# Altium PCB CC_V1.4.PcbDoc (part 7 of 8)
Units mm, origin at the board's own origin, x right, y up, seen from the top; angles counter-clockwise.
Board outline 145 x 123.85 mm, 4 copper layers (Top, GND, Power Plane, Bottom), stack 1.573 mm thick; 334 components, 307 nets, 1570 pads, 1725 vias.
Unrouted connection lines stored in the file: 33.
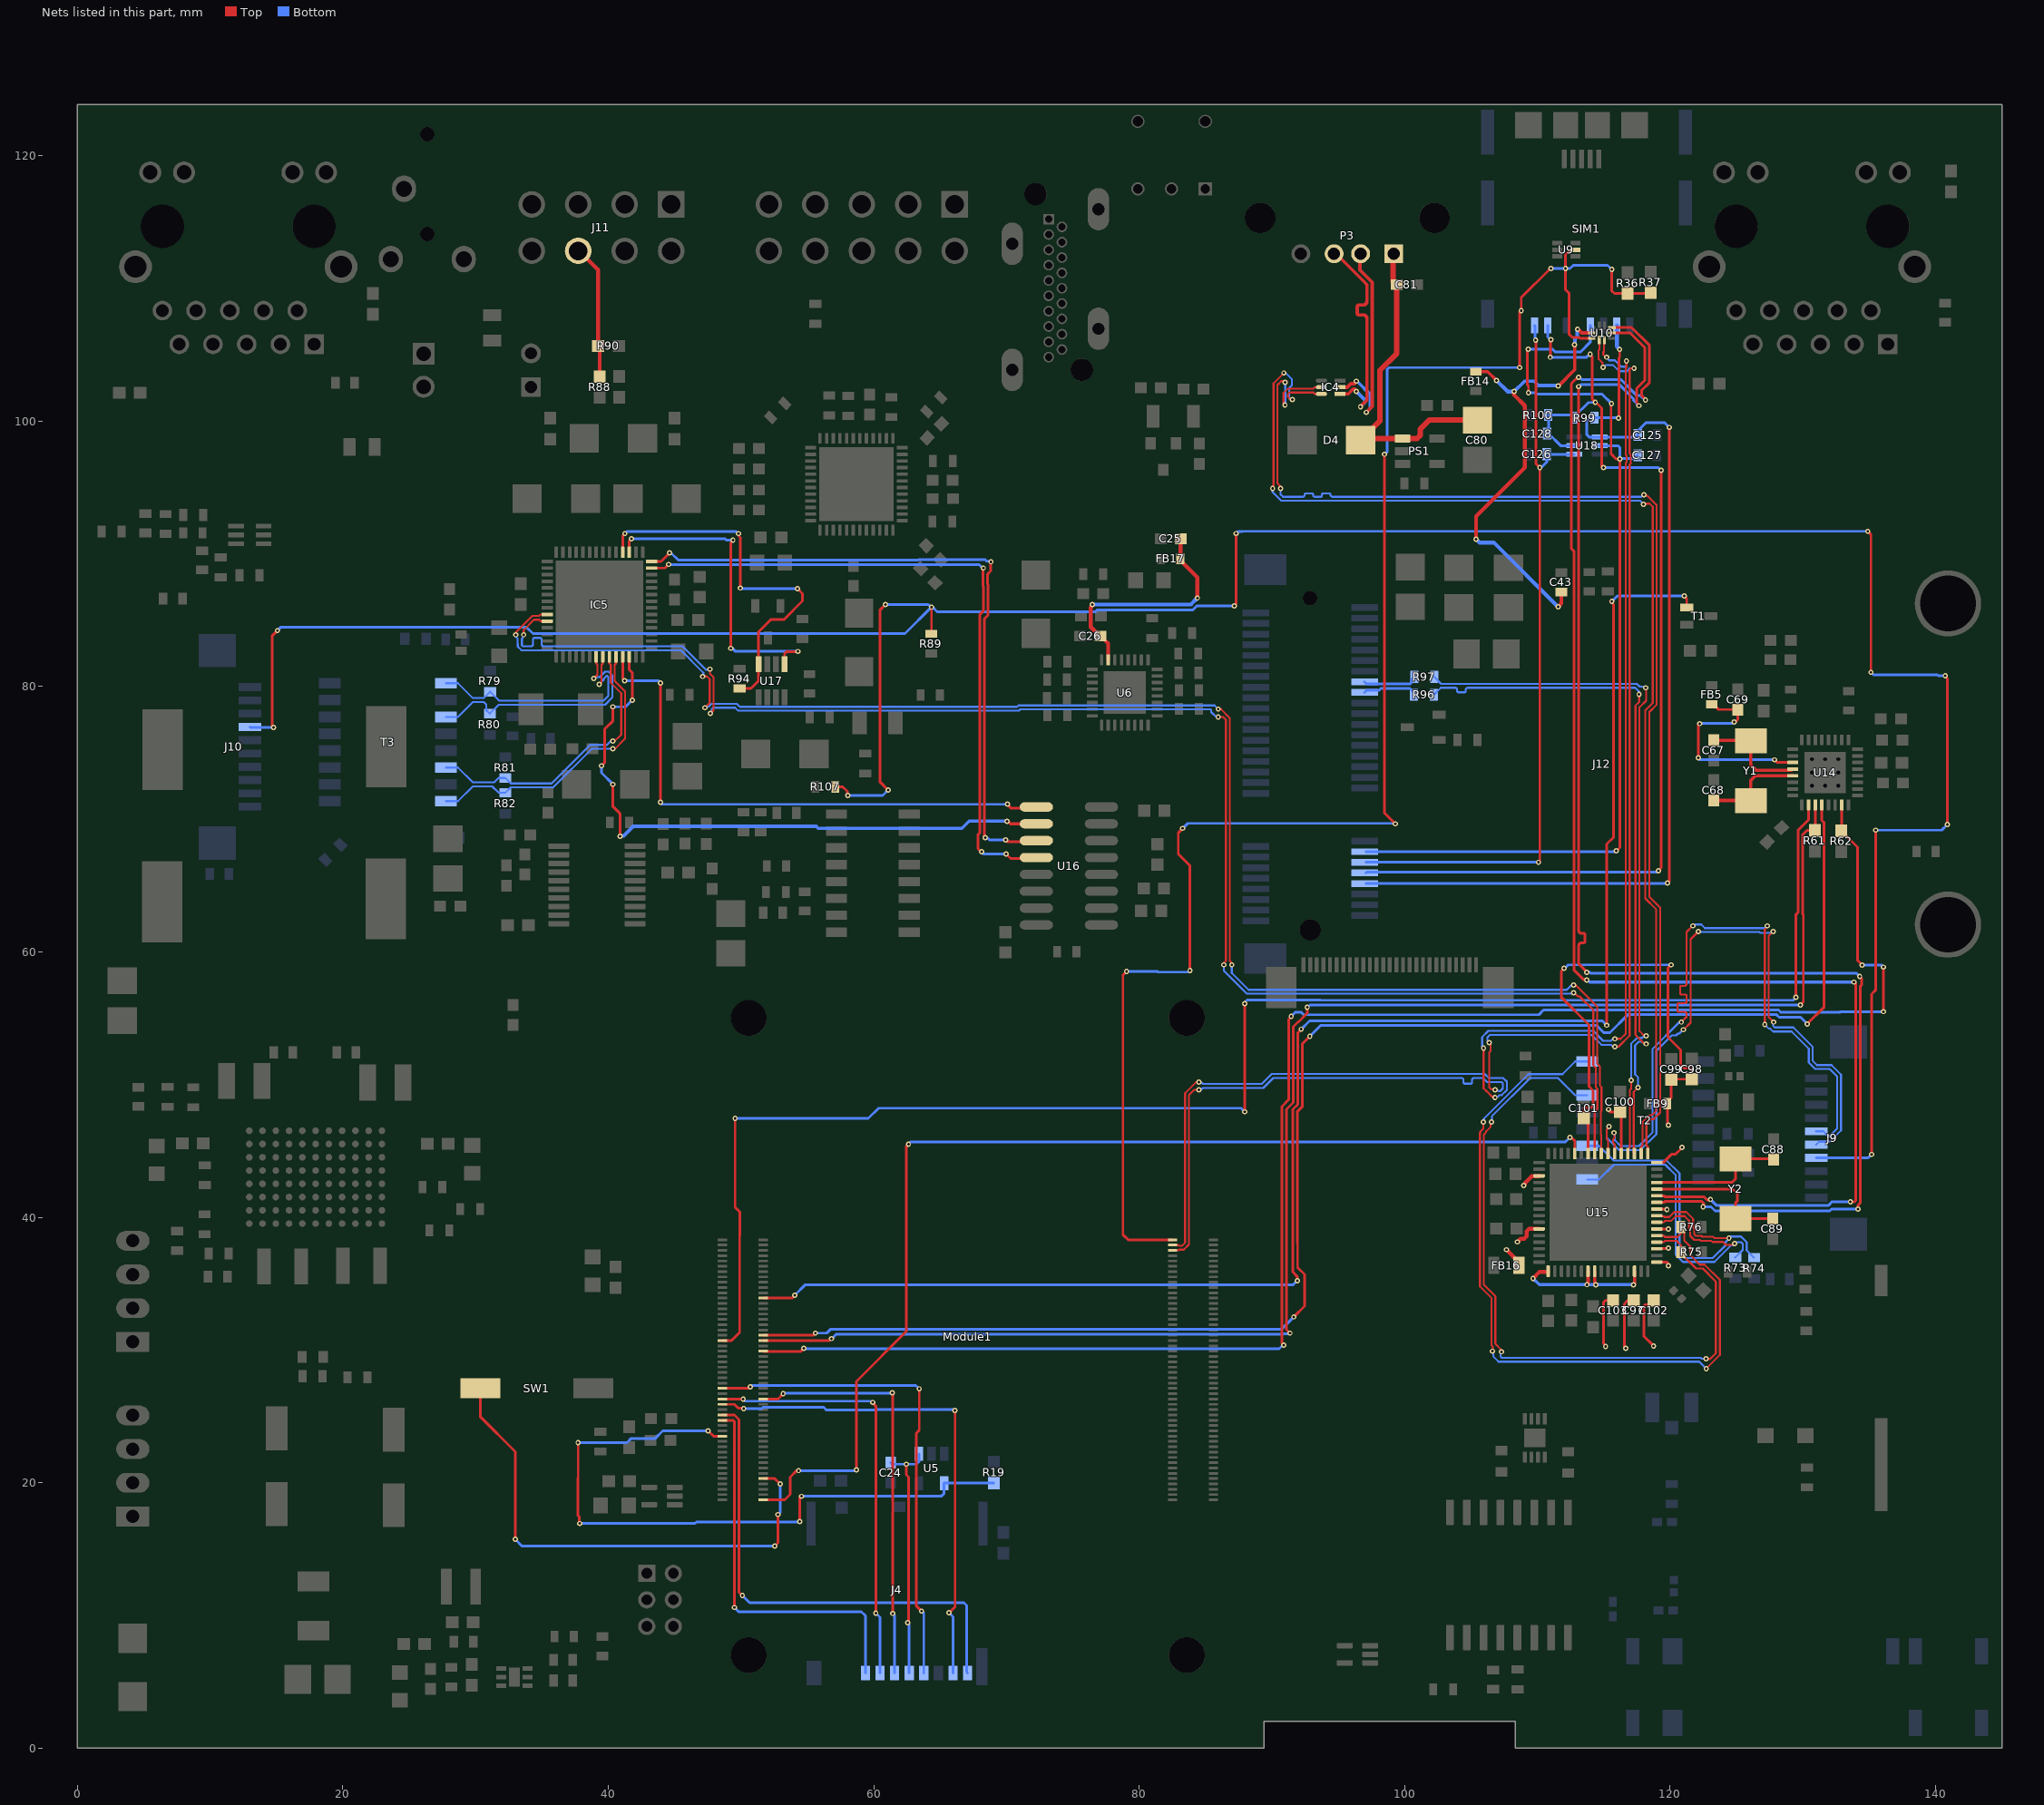
[diagram p9: the nets of this part, all layers, seen from the top]

## Via types
v1: diameter 0.4, hole 0.2, Top to Bottom, 1319 vias
v2: diameter 0.7, hole 0.4, Top to Bottom, 378 vias
v3: diameter 1.27, hole 0.711, Top to Bottom, 28 vias

## Nets (pads, with @x,y where several pads share a name; then routed paths per layer and width w, separated by ;. In a path a pad name is that pad's centre, name@x,y a point inside that pad or via, vN(x,y) a via of type N, cw(c..) or ccw(c..) an arc to the next point about the centre after c; other vN are vias at no path point) (continued)
RS485B_Bridge: J9.4 J10.4 R89.2 R107.2 | length 222.6
  Top w0.2: v1(14.783,76.925) 14.69,77.018 14.69,83.833 v1(15.07,84.213) ; R107.2@57.1,72.44 57.652,72.44 58.001,72.091 58.001,71.836 v1(58.039,71.798) ; v1(60.875,86.175) 60.483,85.783 60.483,72.792 v1(61.075,72.2) ; R89.2@64.325,83.975 64.35,84 v1(64.35,85.983) ; v1(87.173,86.082) 87.293,86.202 v1(87.293,91.528) ; v1(134.885,91.695) 135.125,91.455 v1(135.125,81.068) ; v1(135.18,44.74) 135.18,56.811 135.473,57.104 v1(135.473,69.175) ; v1(140.724,80.809) 140.724,80.755 140.88,80.599 v1(140.88,69.602)
  Bottom w0.2: J10.4@13.007,76.949 13.031,76.925 v1(14.783,76.925) ; v1(15.07,84.213) 15.311,84.454 33.854,84.454 34.322,83.986 62.354,83.986 v1(64.35,85.983) ; v1(58.039,71.798) 60.673,71.798 v1(61.075,72.2) ; v1(60.875,86.175) 64.103,86.175 64.296,85.983 v1(64.35,85.983) ; v1(87.173,86.082) 84.358,86.082 84.051,85.775 76.845,85.775 76.691,85.621 64.78,85.621 64.418,85.983 v1(64.35,85.983) ; v1(87.293,91.528) 87.455,91.69 87.772,91.69 87.778,91.695 v1(134.885,91.695) ; J9.4@130.994,44.476 134.916,44.476 v1(135.18,44.74) ; v1(135.125,81.068) 135.308,80.885 140.124,80.885 140.2,80.809 v1(140.724,80.809) ; v1(135.473,69.175) 140.453,69.175 v1(140.88,69.602)
RS485B_C: J11.6 R88.1 R90.2 | length 10.2
  Top w0.3: J11.6@37.75,112.882 39.23,111.402 R90.2@39.23,105.665 39.355,105.54 R88.1@39.355,103.349
RUN: Module1.92 SW1.2 | length 38.5
  Top w0.2: SW1.2@30.35,27.11 30.35,24.987 32.99,22.347 v1(32.99,15.735) ; Module1.92@51.671,20.31 52.542,20.31 52.946,19.906 v1(52.946,19.9) ; v1(52.546,15.235) 52.773,15.461 v1(52.773,17.602)
  Bottom w0.2: v1(32.99,15.735) 33.49,15.235 v1(52.546,15.235) ; v1(52.773,17.602) 52.946,17.776 v1(52.946,19.9)
RX_LAN1_N: R76.2 T2.8 U15.53 | length 59.5
  Top w0.15: v1(105.925,47.19) 105.925,46.695 105.696,46.466 105.696,46.391 105.66,46.355 105.66,34.799 106.529,33.931 106.529,30.347 106.64,30.235 106.64,29.934 v1(106.617,29.91) ; U15.53@118.995,38.625 119.5,38.625 119.6,38.525 120.56,38.525 120.785,38.75 R76.2@120.785,39.275 121.06,39 121.06,38.243 121.513,37.79 121.513,37.153 122.226,36.44 122.586,36.44 123.742,35.284 123.742,29.633 122.72,28.611 v1(122.72,28.59)
  Bottom w0.15: v1(105.925,47.19) 105.973,47.238 105.973,47.449 109.312,50.788 111.894,50.788 112.846,51.74 T2.8@113.744,51.74 ; v1(106.617,29.91) 106.665,29.863 106.665,29.528 107.073,29.12 122.19,29.12 v1(122.72,28.59)
RX_LAN1_P: R75.2 T2.6 U15.52 | length 55.9
  Top w0.15: v1(106.525,47.19) 106.478,47.142 106.478,46.822 106.136,46.481 106.136,46.407 105.96,46.23 105.96,34.923 106.829,34.055 106.829,30.471 107.246,30.054 107.246,29.917 v1(107.293,29.869) ; U15.52@118.995,38.125 119.5,38.125 119.6,38.225 120.485,38.225 120.81,37.9 R75.2@120.81,37.375 120.81,37.275 121.945,36.14 122.462,36.14 123.442,35.16 123.442,29.758 123.007,29.322 122.736,29.322 v1(122.71,29.349)
  Bottom w0.15: v1(106.525,47.19) 106.564,47.228 106.564,47.615 109.437,50.488 111.558,50.488 112.846,49.2 T2.6@113.744,49.2 ; v1(107.293,29.869) 107.293,29.801 107.217,29.725 107.217,29.508 107.305,29.42 122.314,29.42 122.397,29.337 122.698,29.337 v1(122.71,29.349)
RX_LAN2_N: IC5.24 R82.2 T3.8 | length 22.5
  Top w0.15: v1(40.352,75.3) 40.5,75.3 41.271,76.071 41.271,79.628 40.485,80.414 40.485,81.635 40.585,81.735 IC5.24@40.585,82.24
  Bottom w0.15: T3.8@27.778,71.355 28.676,71.355 29.796,72.475 31.25,72.475 31.725,72 R82.2@32.25,72 32.65,72.4 35.852,72.4 38.751,75.299 40.28,75.299 40.352,75.371 v1(40.352,75.3)
RX_LAN2_P: IC5.23 R81.2 T3.6 | length 21.7
  Top w0.15: IC5.23@40.085,82.24 40.085,81.735 40.185,81.635 40.185,80.29 40.971,79.504 40.971,76.371 40.5,75.9 v1(40.352,75.9)
  Bottom w0.15: T3.6@27.778,73.895 28.676,73.895 29.796,72.775 31.4,72.775 31.725,73.1 R81.2@32.25,73.1 32.65,72.7 35.728,72.7 38.627,75.599 39.903,75.599 40.204,75.9 v1(40.352,75.9)
SD_CLK: J4.5 Module1.57 | length 36.8
  Top w0.2: Module1.57@48.591,27.11 50.585,27.11 v1(50.7,27.225) ; v1(63.425,27.075) 63.425,23.958 63.216,23.749 63.216,10.709 v1(63.6,10.325)
  Bottom w0.2: v1(50.7,27.225) 50.804,27.329 63.171,27.329 v1(63.425,27.075) ; v1(63.6,10.325) 63.77,10.155 J4.5@63.77,5.65
SD_CMD: J4.3 Module1.62 | length 31.1
  Top w0.2: Module1.62@51.671,26.31 52.781,26.31 v1(53.175,26.704) ; v1(61.425,10.15) 61.429,10.154 61.429,26.721 v1@61.425,26.725
  Bottom w0.2: v1(53.175,26.704) 53.211,26.74 61.365,26.74 v1(61.4,26.775) ; v1(61.425,10.15) 61.57,10.005 J4.3@61.57,5.65
SD_DAT0: J4.7 Module1.63 | length 37.9
  Top w0.2: Module1.63@48.591,25.91 49.5,25.91 49.799,25.612 50.162,25.612 v1(50.2,25.574) ; v1(65.675,10.2) 66.125,10.65 v1@66.125,25.4
  Bottom w0.2: v1(50.2,25.574) 51.548,25.574 51.662,25.688 55.762,25.688 55.771,25.679 56.229,25.679 56.412,25.496 60.154,25.496 60.183,25.525 66.025,25.525 v1(66.1,25.45) ; v1(65.675,10.2) 65.97,9.905 J4.7@65.97,5.65
SD_DAT1: J4.8 Module1.67 | length 37.1
  Top w0.2: Module1.67@48.591,25.11 49.51,25.11 49.85,24.77 49.85,11.75 v1(50.1,11.5)
  Bottom w0.2: v1(50.1,11.5) 50.65,10.95 66.8,10.95 67,10.75 67,5.72 J4.8@67.07,5.65
SD_DAT2: J4.1 Module1.69 | length 29.4
  Top w0.2: Module1.69@48.591,24.71 48.602,24.7 49.425,24.7 49.5,24.625 v1(49.5,10.6)
  Bottom w0.2: v1(49.5,10.6) 49.825,10.275 59.075,10.275 59.37,9.98 J4.1@59.37,5.65
SD_DAT3: J4.2 Module1.61 | length 32.1
  Top w0.2: Module1.61@48.591,26.31 v1(50.165,26.31) ; v1(59.925,26.05) 59.9,26.025 60.15,25.775 v1(60.15,10.175)
  Bottom w0.2: v1(50.165,26.31) 50.325,26.15 59.925,26.15 v1(59.925,26.05) ; v1(60.15,10.175) 60.47,9.855 J4.2@60.47,5.65
SD_POWER: C24.1 J4.4 U5.1 | length 18.7
  Top w0.2: v1(62.45,21.4) 62.45,20.599 62.632,20.417 62.632,9.586 62.55,9.504 v1(62.55,9.45)
  Bottom w0.2: C24.1@61.275,21.524 61.399,21.4 v1(62.45,21.4) 63.2,21.4 63.4,21.6 U5.1@63.4,22.175 ; v1(62.55,9.45) 62.55,9.425 62.67,9.305 J4.4@62.67,5.65
SD_POWER_ON: Module1.75 R19.1 U5.4 | length 51.4
  Top w0.2: v1(37.725,23.025) 37.729,23.021 37.729,20.346 37.725,20.342 37.725,17.525 37.825,17.425 37.825,16.944 v1(37.844,16.925) ; v1(47.525,23.91) 47.925,23.51 Module1.75@48.591,23.51 ; v1(54.425,17.075) 54.425,18.85 v1(54.55,18.975)
  Bottom w0.2: v1(37.725,23.025) 41.408,23.025 41.725,23.341 43.539,23.341 44.108,23.91 v1(47.525,23.91) ; v1(37.844,16.925) 46.507,16.925 46.63,17.049 54.398,17.049 v1(54.425,17.075) ; v1@54.625,19 65.1,19 65.3,19.2 U5.4@65.3,19.975 69.037,19.975 R19.1@69.05,19.988
SIM_CLK: C126.2 J12.12 SIM1.C3 U18.4 | length 57.2
  Top w0.2: v1(109.865,106.095) 109.877,106.083 109.877,101.966 109.875,101.964 109.875,96.8 v1(110.175,96.5) 110.175,81.108 110.179,81.104 110.179,66.854 v1(110.075,66.75)
  Bottom w0.2: J12.12@97.075,66.75 v1(110.075,66.75) ; SIM1.C3@109.77,107.208 109.827,107.152 v1@109.827,106.187 ; v1@109.857,106.095 v1(109.865,106.095) ; v1(110.175,96.5) 110.225,96.45 110.7,96.925 C126.2@110.7,97.5 U18.4@112.775,97.5 ; v1@109.827,106.187 109.865,106.149 v1(109.865,106.095) ; v1@109.827,106.187 109.827,106.133 v1(109.865,106.095)
SIM_DATA: C128.2 J12.10 R99.1 R100.2 SIM1.C7 U18.5 | length 79.5
  Top w0.2: v1(110.965,104.814) 110.994,104.842 110.994,106.096 v1(111.023,106.125) ; v1(113.97,105.034) 114.132,104.872 114.132,101.643 v1(114.35,101.425) 114.4,101.425 114.85,100.975 114.85,96.575 114.975,96.45 v1(114.975,96.5) ; v1(119.125,66.125) 119.325,66.325 v1(119.325,96.3)
  Bottom w0.2: J12.10@97.075,65.95 97.125,66 119,66 v1(119.125,66.125) ; SIM1.C7@110.77,107.208 110.77,106.342 110.988,106.125 v1(111.023,106.125) ; v1(110.965,104.814) 113.695,104.814 113.916,105.034 v1(113.97,105.034) ; U18.5@112.775,98.15 111.75,98.15 110.85,99.05 110.85,100.4 R100.2@110.8,100.45 112.6,100.45 R99.1@112.8,100.25 112.8,100.35 113.85,101.4 114.325,101.4 v1(114.35,101.425) ; v1(114.975,96.5) 119.1,96.5 119.325,96.275 v1(119.325,96.3)
SIM_RST: C127.2 J12.14 SIM1.C2 U18.2 | length 73.8
  Top w0.2: v1(109.312,105.425) 109.242,105.355 109.242,102.731 109.323,102.651 v1(109.323,102.131) ; v1(115.575,101.325) 115.544,101.293 115.544,97.532 115.925,97.15 v1(116.2,97.15) 116.2,67.85 115.925,67.575 v1(115.925,67.625)
  Bottom w0.2: J12.14@97.075,67.55 v1@116,67.55 ; v1(109.312,105.425) 111.137,105.425 111.364,105.199 113.226,105.199 113.975,105.947 SIM1.C2@113.975,107.208 ; v1(109.323,102.131) 109.826,102.131 109.923,102.035 114.865,102.035 v1(115.575,101.325) ; U18.2@114.675,98.15 116.05,98.15 116.2,98 v1(116.2,97.15) 116.225,97.175 117.2,97.175 C127.2@117.55,97.425 ; v1(115.925,67.625) v1@116,67.55 ; v1@115.925,67.55 v1@116,67.55 ; v1@115.925,67.55 v1@116,67.55 ; v1@115.925,67.55 v1@116,67.55
SIM_VCC: C125.2 J12.8 R99.2 SIM1.C1 U18.1 | length 74.9
  Top w0.2: v1(116.097,100.225) 116.152,100.279 116.152,104.76 116.192,104.8 v1(116.192,105.398) ; v1(119.8,65.2) 119.921,65.321 119.921,88.704 119.925,88.708 119.925,92.467 119.921,92.471 119.921,99.507 v1(119.939,99.525)
  Bottom w0.2: J12.8@97.075,65.15 119.75,65.15 v1(119.8,65.2) ; v1(116.097,100.225) 116.072,100.25 R99.2@114.3,100.25 113.925,100.25 113.725,100.05 113.725,98.975 113.9,98.8 U18.1@114.675,98.8 117.425,98.8 C125.2@117.575,98.95 117.575,99.275 118.175,99.875 119.581,99.875 119.931,99.525 v1(119.939,99.525)
  Bottom w0.3: SIM1.C1@115.975,107.208 115.975,105.642 116.192,105.425 v1(116.192,105.398)
SPI0_CE0_N: Module1.39 U14.26 | length 121.5
  Top w0.2: Module1.39@48.591,30.71 49.285,30.71 49.891,31.316 49.891,38.643 49.899,38.651 49.899,40.414 49.55,40.763 v1(49.55,47.45) ; v1(87.95,47.95) v1(87.95,56.1) ; v1(129.479,56.571) 129.479,62.817 129.644,62.983 129.644,69.175 130.425,69.955 U14.26@130.425,71.08
  Bottom w0.2: v1(49.55,47.45) 49.55,47.452 59.589,47.452 60.362,48.225 87.675,48.225 v1(87.95,47.95) ; v1@87.925,56.125 v1(87.95,56.1) ; v1@87.925,56.175 88.125,56.375 93.65,56.375 93.668,56.357 129.262,56.357 129.476,56.571 v1(129.479,56.571)
SPI0_MISO: Module1.40 R61.1 U14.27 | length 118.4
  Top w0.2: Module1.40@51.664,30.72 56.679,30.72 v1(56.82,30.861) ; v1(91.35,31.275) 91.096,31.529 91.096,48.146 91.6,48.65 91.6,54.358 91.971,54.729 92.004,54.729 92.65,55.375 v1(92.65,55.821) ; v1(129.8,55.994) 129.8,56.004 130.033,56.237 130.033,62.803 129.994,62.842 129.994,68.844 130.312,69.162 R61.1@130.9,69.162 130.925,69.187 U14.27@130.925,71.08
  Bottom w0.2: v1(56.82,30.861) 56.845,30.861 57.186,31.202 90.847,31.202 90.882,31.237 91.312,31.237 v1(91.35,31.275) ; v1(92.65,55.821) 92.704,55.821 92.877,55.994 v1(129.8,55.994)
SPI0_MOSI: Module1.44 R62.1 U14.31 | length 127.4
  Top w0.2: Module1.44@51.671,29.91 51.681,29.901 54.501,29.901 v1(54.725,30.125) ; v1(90.875,30.375) 90.746,30.504 90.746,48.346 91.25,48.85 91.25,54.9 91.45,55.1 v1(91.45,55.15) ; U14.31@132.925,71.08 132.925,69.15 R62.1@132.9,69.125 132.9,69.1 134.116,67.884 134.116,59.368 134.462,59.022 v1(134.462,59.007) ; v1(136.075,55.5) v1@136.075,58.857
  Bottom w0.2: v1(54.725,30.125) 54.756,30.094 90.54,30.094 90.821,30.375 v1(90.875,30.375) ; v1(91.45,55.15) 91.74,55.44 92.223,55.44 92.396,55.267 110.104,55.267 110.454,55.618 128.162,55.618 128.339,55.44 132.766,55.44 132.826,55.5 v1(136.075,55.5) ; v1(134.462,59.007) 135.91,59.007 v1(136.06,58.857)
SPI0_P_RESET: Module1.24 T1.B | length 122.4
  Top w0.2: Module1.24@51.671,33.91 53.835,33.91 v1(54.05,34.125) ; v1(91.9,35.225) 91.9,35.55 91.58,35.87 91.58,37.923 91.575,37.928 91.575,48.13 91.95,48.505 91.95,53.9 92.2,54.15 v1(92.2,54.175) ; v1(115.225,54.475) 115.225,68.125 115.725,68.625 115.725,86.175 115.5,86.4 115.504,86.404 v1(115.606,86.404) ; v1(121.05,86.825) 121.05,86.8 121.25,86.6 T1.B@121.25,85.95
  Bottom w0.2: v1(54.05,34.125) 54.85,34.925 91.6,34.925 v1(91.9,35.225) ; v1(92.2,54.175) 92.825,54.8 114.9,54.8 v1(115.225,54.475) ; v1(115.606,86.404) 115.606,86.406 116.025,86.825 v1(121.05,86.825)
SPI0_RESET: C69.1 FB5.2 U14.19 | length 16
  Top w0.2: v1(122.125,74.625) 122.125,77.1 v1(122.225,77.2) ; FB5.2@123.125,78.65 123.25,78.65 123.637,78.263 C69.1@125.1,78.263 ; v1(124.831,77.329) 124.929,77.329 125.1,77.5 C69.1@125.1,78.263 ; C69.1@124.938,78.425 C69.1@125.1,78.263 ; v1(127.85,74.475) 128.05,74.275 U14.19@129.23,74.275
  Bottom w0.2: v1(122.125,74.625) 122.125,74.6 122.25,74.475 v1(127.85,74.475) ; v1@122.225,77.225 124.727,77.225 v1(124.831,77.329)
SPI0_SCLK: Module1.38 U14.28 | length 118.6
  Top w0.2: Module1.38@51.671,31.11 55.435,31.11 v1(55.6,31.275) ; v1(91.65,32.5) 92.454,33.304 92.454,35.696 91.93,36.22 91.93,38.068 91.925,38.073 91.925,47.985 92.3,48.36 92.3,53.1 v1(92.85,53.65) ; v1(130.325,54.575) 131.6,55.85 131.6,69.73 131.425,69.905 U14.28@131.425,71.08
  Bottom w0.2: v1(55.6,31.275) 56.45,31.275 56.727,31.552 90.702,31.552 v1(91.65,32.5) ; v1(92.85,53.65) 93.65,54.45 114.467,54.45 114.996,53.921 115.454,53.921 116.801,55.268 128.017,55.268 128.205,55.079 129.821,55.079 v1(130.325,54.575)
TX_LAN1_N: R74.2 T2.3 U15.56 | length 28.5
  Top w0.15: U15.56@118.995,40.125 119.05,40.07 119.517,40.07 119.558,40.03 119.72,40.03 119.725,40.025 119.938,40.025 120.31,40.398 121.205,40.398 121.725,39.877 121.725,39.241 121.81,39.156 121.81,39.099 121.81,38.732 121.942,38.6 122.309,38.6 122.366,38.6 122.431,38.535 123.225,38.535 123.26,38.5 123.316,38.444 v1(124.426,38.444)
  Bottom w0.15: T2.3@113.744,45.39 114.641,45.39 115.761,44.27 119.753,44.27 120.702,43.321 120.702,37.319 121.083,36.939 123.219,36.939 124.169,37.89 124.169,38.12 124.426,38.377 v1(124.426,38.444) 124.53,38.549 125.339,38.549 125.766,38.121 125.766,37.516 R74.2@126.325,36.958
TX_LAN1_P: R73.2 T2.1 U15.55 | length 28
  Top w0.15: U15.55@118.995,39.625 119.5,39.625 119.6,39.725 120.062,39.725 120.434,40.098 121.081,40.098 121.425,39.753 121.425,39.117 121.51,39.032 121.51,38.974 121.51,38.608 121.818,38.3 122.184,38.3 122.242,38.3 122.307,38.235 123.101,38.235 123.191,38.144 123.978,38.144 124.207,37.915 124.645,37.915
  Bottom w0.15: T2.1@113.744,42.85 114.641,42.85 115.761,43.97 119.629,43.97 120.402,43.196 120.402,37.195 120.958,36.639 123.343,36.639 124.607,37.904 124.734,37.904 v1(124.85,38.02) 124.96,38.13 125.333,38.13 125.466,37.997 125.466,37.544 R73.2@124.907,36.985
TX_LAN2_N: IC5.21 R80.2 T3.3 | length 19.3
  Top w0.15: v1(38.904,80.596) 38.904,80.604 39.185,80.885 39.185,81.635 39.085,81.735 IC5.21@39.085,82.24
  Bottom w0.15: T3.3@27.778,77.705 28.676,77.705 29.796,78.825 30.627,78.825 30.812,78.64 30.812,78.21 R80.2@31.072,77.95 31.747,78.625 39.758,78.625 40.3,79.167 40.3,80.842 40.027,81.115 39.765,81.115 39.355,80.705 39.081,80.705 38.972,80.596 v1(38.904,80.596)
TX_LAN2_P: IC5.22 R79.2 T3.1 | length 17.9
  Top w0.15: v1(39.329,80.171) 39.329,80.18 39.485,80.336 39.485,81.635 39.585,81.735 IC5.22@39.585,82.24
  Bottom w0.15: T3.1@27.778,80.245 28.676,80.245 29.796,79.125 30.625,79.125 R79.2@31.1,79.6 31.775,78.925 32.225,78.925 39.634,78.925 39.758,79.049 40,79.291 40,80.717 39.903,80.815 39.889,80.815 39.641,80.566 39.641,80.483 v1(39.329,80.171)
UART2_RX: IC5.25 U16.9 | length 42.1
  Top w0.2: IC5.25@41.085,82.24 41.085,80.565 v1(41.225,80.425) ; v1(43.925,71.275) v1(43.925,80.275) ; v1(70.075,71.15) 70.05,71.125 70.33,70.845 U16.9@72.175,70.845
  Bottom w0.2: v1(41.225,80.425) 43.775,80.425 v1(43.925,80.275) ; v1(43.925,71.275) 44.079,71.121 70.046,71.121 v1(70.075,71.15)
UART2_TX: IC5.26 U16.10 | length 47.7
  Top w0.2: v1(39.485,74.025) 39.725,74.265 39.725,76.79 40.352,77.417 v1(40.352,78.471) ; v1(40.352,72.625) 40.352,70.945 40.9,70.397 v1(40.9,68.718) ; IC5.26@41.585,82.24 41.585,81.255 41.8,81.04 v1(41.8,78.963)
  Top w0.254: v1(70.05,69.85) 70.102,69.85 70.302,69.65 U16.10@72.25,69.65
  Bottom w0.2: v1(39.485,74.025) 39.485,73.492 v1(40.352,72.625) ; v1(40.352,78.471) 41.308,78.471 v1(41.8,78.963)
  Bottom w0.254: v1(40.9,68.718) 40.928,68.746 41.157,68.746 41.877,69.465 55.652,69.465 55.807,69.31 66.641,69.31 67.181,69.85 v1(70.05,69.85)
UART3_RX: IC5.41 U16.12 | length 51.2
  Top w0.2: IC5.41@43.27,88.925 44.275,88.925 v1(44.55,89.2) ; v1(68.128,67.553) 68.072,67.553 67.846,67.779 67.846,68.829 67.975,68.958 67.975,85.4 68.25,85.675 68.25,87.547 68.234,87.563 68.234,88.909 v1(68.25,88.925) ; v1(69.975,67.375) 70.315,67.035 U16.12@72.175,67.035
  Bottom w0.2: v1(44.55,89.2) 44.579,89.171 67.95,89.171 68.196,88.925 v1(68.25,88.925) ; v1(68.128,67.553) 68.128,67.497 68.25,67.375 v1(69.975,67.375)
UART3_TX: IC5.42 U16.11 | length 51.2
  Top w0.2: IC5.42@43.27,89.425 43.975,89.425 v1(44.625,90.075) ; v1(68.4,68.6) 68.325,68.525 68.325,85.1 68.6,85.375 68.6,87.692 68.584,87.708 68.584,88.475 68.804,88.696 68.804,89.379 v1(68.825,89.4) ; v1(69.925,68.45) 70.07,68.305 U16.11@72.175,68.305
  Bottom w0.2: v1(44.625,90.075) 44.725,90.075 45.279,89.521 63.327,89.521 63.363,89.557 68.401,89.557 68.52,89.438 68.787,89.438 v1(68.825,89.4) ; v1(68.4,68.6) 68.55,68.6 68.7,68.45 v1(69.925,68.45)
UART4_RX: IC5.45 U17.1 | length 24
  Top w0.2: IC5.45@41.585,90.11 41.585,90.96 v1(41.75,91.125) ; v1(49.236,82.875) 49.236,90.826 49.384,90.974 v1(49.384,91.028) ; U17.1@53.275,81.675 53.275,82.475 53.407,82.607 54.156,82.607 54.191,82.642 v1(54.279,82.642)
  Bottom w0.2: v1(41.75,91.125) 48.8,91.125 48.9,91.025 49.381,91.025 v1(49.384,91.028) ; v1(49.236,82.875) 49.35,82.875 49.583,82.642 v1(54.279,82.642)
UART4_TX: IC5.46 R94.1 U17.4 | length 29.4
  Top w0.2: IC5.46@41.085,90.11 41.085,91.36 v1(41.25,91.525) ; v1(49.8,91.525) 49.838,91.487 49.838,91.345 49.954,91.229 49.954,90.771 49.954,87.423 v1(49.949,87.419) ; R94.1@49.89,79.845 50.744,79.845 51.325,80.425 U17.4@51.325,81.675 51.325,84.126 52.253,85.054 53.242,85.054 54.635,86.447 54.635,87.004 54.263,87.376 v1(54.256,87.376)
  Bottom w0.2: v1(41.25,91.525) 41.404,91.679 49.646,91.679 v1(49.8,91.525) ; v1(49.949,87.419) 50.037,87.419 50.08,87.376 v1(54.256,87.376)
USB0_N: Module1.103 U10.2 | length 110.3
  Top w0.15: Module1.103@82.511,37.91 82.936,37.91 82.986,37.86 83.225,37.86 83.45,38.085 83.45,49.349 84.301,50.2 v1(84.5,50.2) ; v1(105.941,52.743) 105.941,49.727 106.196,49.472 106.203,49.472 106.607,49.068 106.749,49.068 v1(106.796,49.02) ; U10.2@115.05,106.074 115.016,106.04 115.016,105.248 114.962,105.195 114.962,105.024 115.173,104.814 v1(115.229,104.814) ; v1(115.842,53.45) 116.27,53.45 116.65,53.83 116.65,57.81 116.65,96.05 116.65,96.852 116.729,96.931 116.729,97.369 116.65,97.448 116.65,103.994 116.706,104.05 v1(116.706,104.53)
  Bottom w0.15: v1(84.5,50.2) 84.648,50.2 84.798,50.05 89.225,50.05 89.975,50.8 106.029,50.8 106.339,50.49 107.429,50.49 107.693,50.226 107.693,49.593 107.307,49.206 107.137,49.206 106.998,49.068 106.844,49.068 v1(106.796,49.02) ; v1(105.941,52.743) 105.836,52.848 105.836,53.583 106.301,54.048 114.203,54.048 114.95,53.3 115.544,53.3 115.694,53.45 v1(115.842,53.45) ; v1(115.229,104.814) 115.229,104.757 115.407,104.578 115.834,104.578 116.307,104.105 116.596,104.105 116.712,104.221 116.712,104.524 v1(116.706,104.53)
USB0_P: Module1.105 U10.1 | length 110.3
  Top w0.15: Module1.105@82.511,37.51 82.936,37.51 82.986,37.56 83.349,37.56 83.75,37.961 83.75,49.225 84.125,49.6 v1(84.5,49.6) ; v1(106.365,53.168) 106.47,53.063 106.47,52.524 106.365,52.419 106.365,49.8 106.523,49.642 106.781,49.642 v1(106.803,49.62) ; U10.1@114.65,106.124 114.666,106.108 114.666,105.393 114.612,105.34 114.612,104.682 114.903,104.392 114.903,104.09 v1(114.951,104.042) ; v1(115.842,52.85) 116.104,52.85 116.95,53.696 116.95,57.686 116.95,96.05 116.95,96.728 117.029,96.807 117.029,97.493 116.95,97.572 116.95,103.87 117.06,103.98 v1(117.281,103.98)
  Bottom w0.15: v1(84.5,49.6) 84.648,49.6 84.798,49.75 89.349,49.75 90.099,50.5 99.296,50.5 103.55,50.5 104.275,50.5 cw(c104.275,50.35) 104.425,50.35 104.425,50.168 ccw(c104.522,50.168) 104.522,50.071 104.977,50.071 ccw(c104.977,50.168) 105.075,50.168 105.075,50.35 cw(c105.225,50.35) 105.225,50.5 105.905,50.5 105.941,50.464 106.215,50.19 107.305,50.19 107.393,50.102 107.393,49.717 107.182,49.506 107.058,49.506 106.992,49.572 106.85,49.572 v1(106.803,49.62) ; v1(106.365,53.168) 106.23,53.303 106.23,53.553 106.425,53.748 114.078,53.748 114.826,53 115.544,53 115.694,52.85 v1(115.842,52.85) ; v1(114.951,104.042) 114.977,104.042 115.163,104.228 115.689,104.228 116.162,103.755 116.741,103.755 116.959,103.974 117.274,103.974 v1(117.281,103.98)